# KiCad board 2000ATX.kicad_pcb (continued)
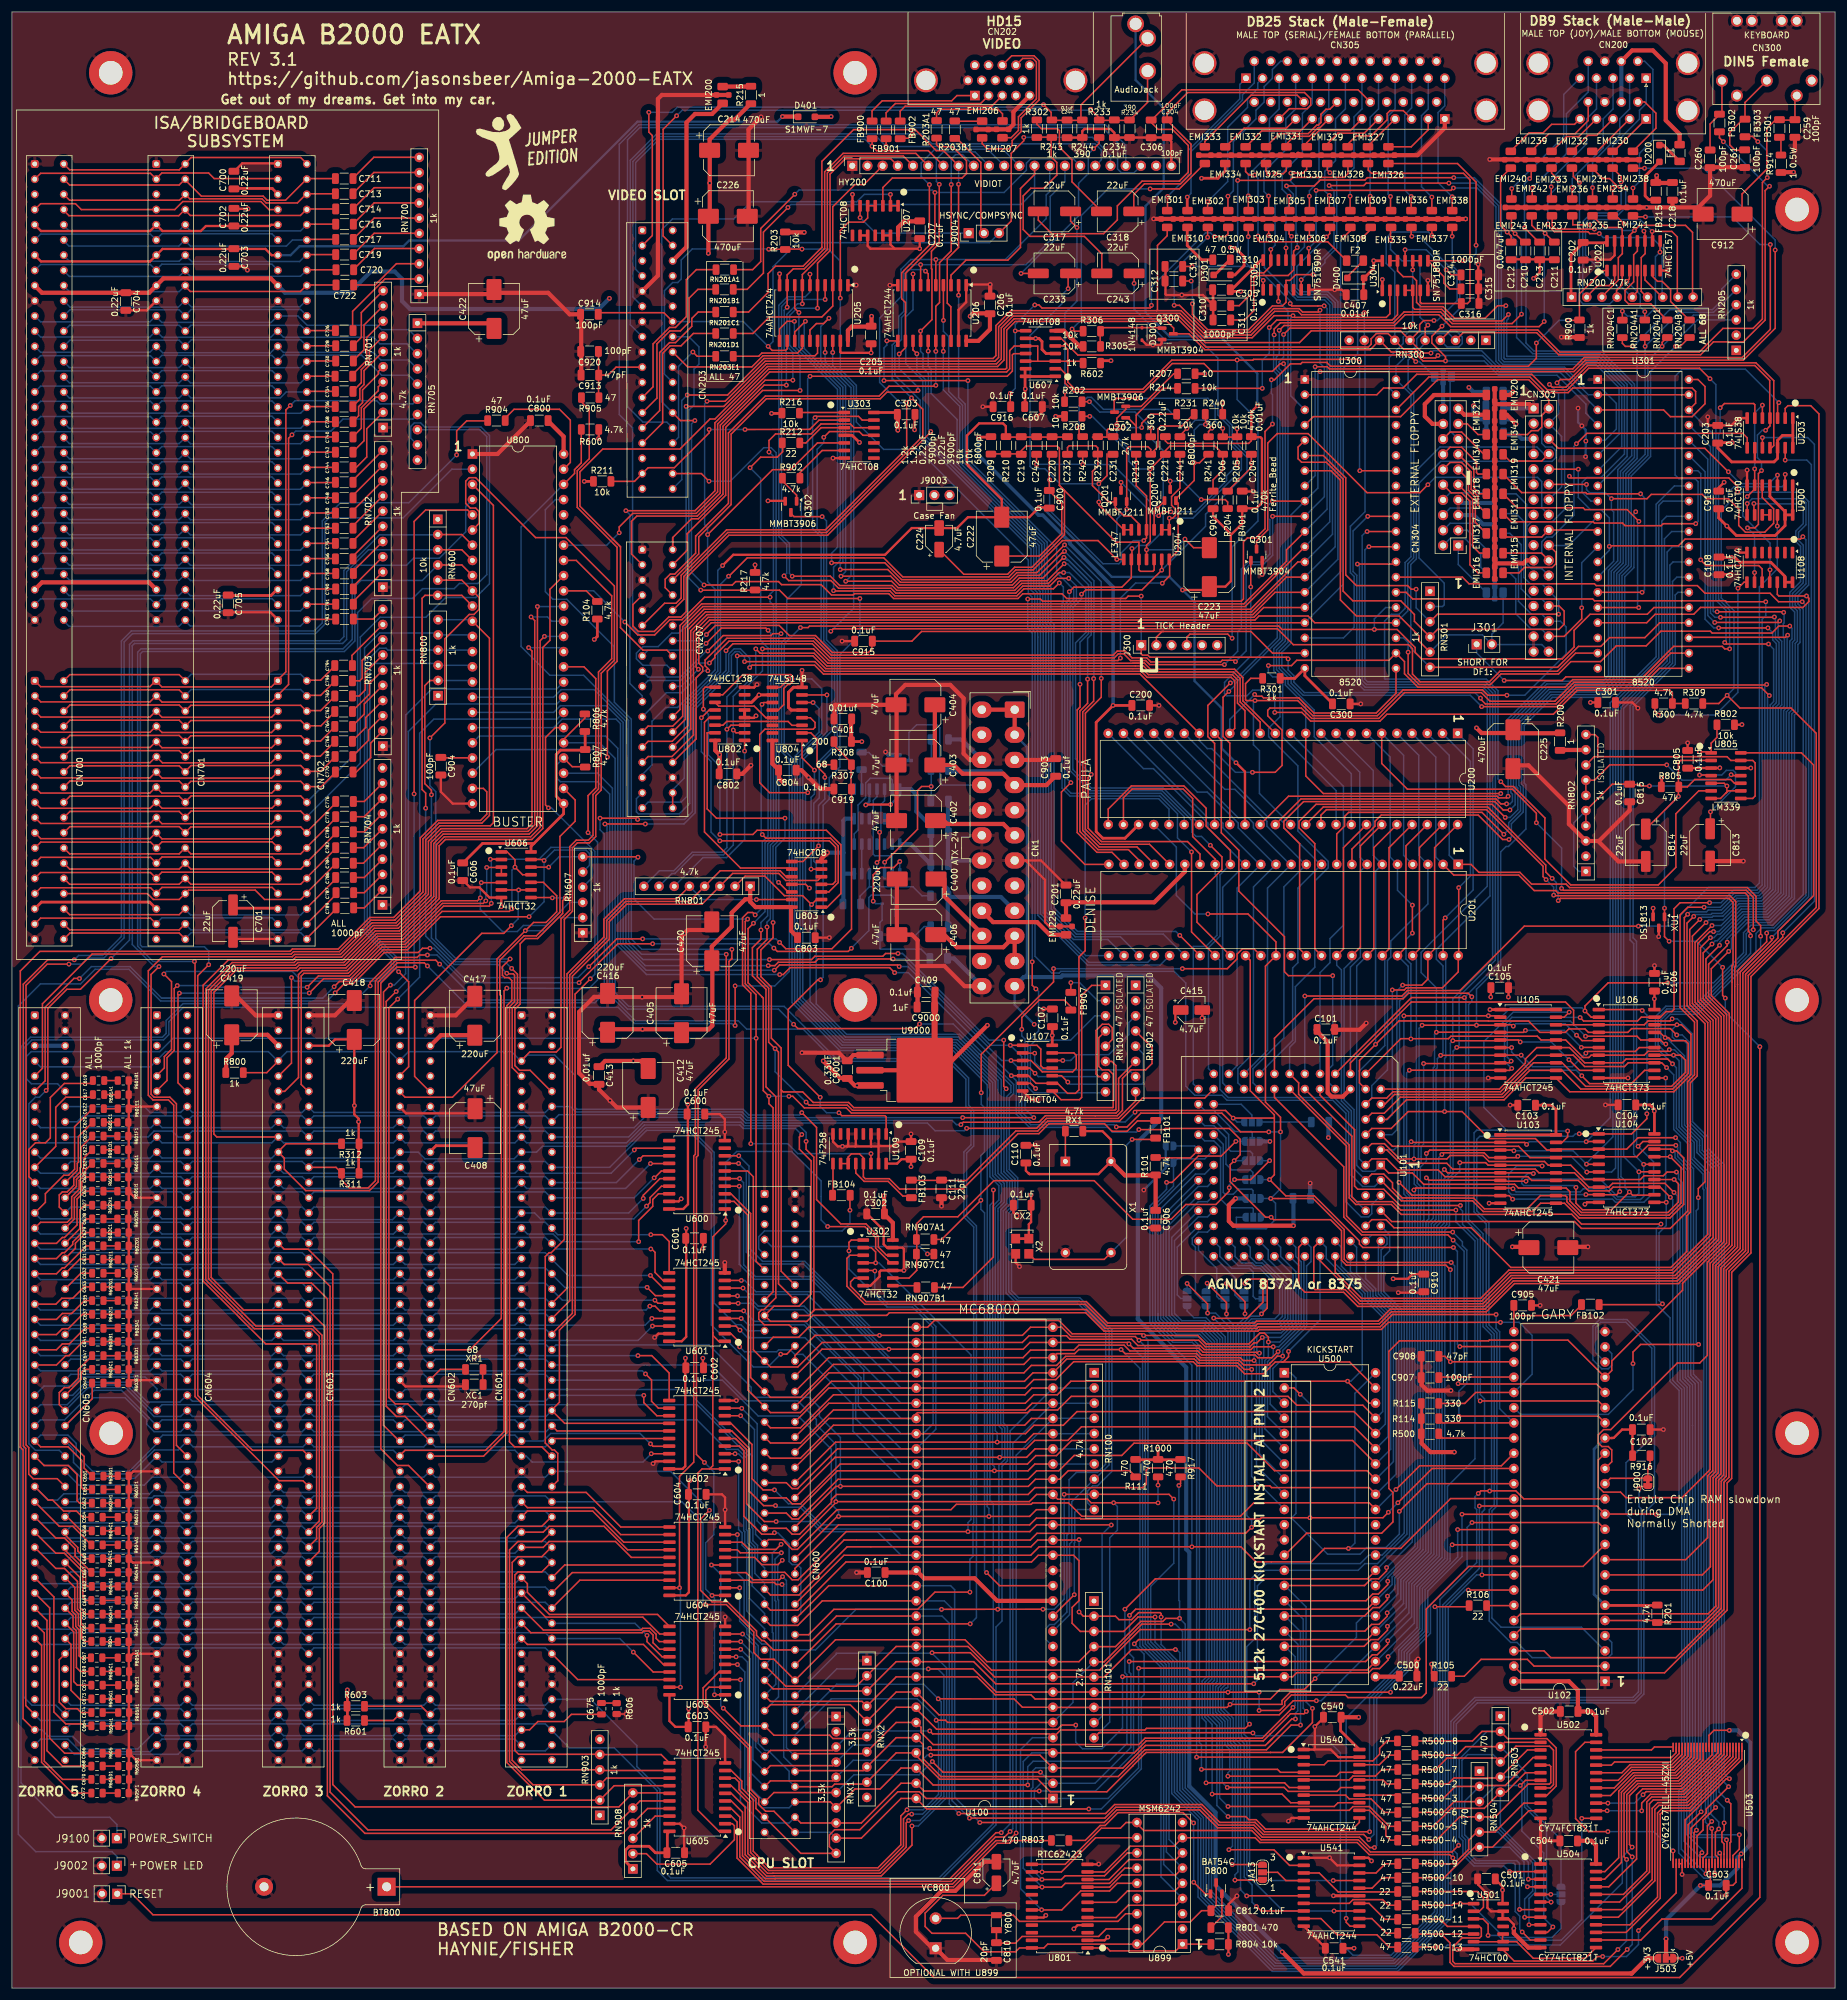
[diagram p0: board, top side]
## Routing (per net, layer and track width the routed paths; a pad name or vN(x,y) marks a point on that pad's centre or on a via; arc(x,y) is an arc through that point) (continued)
  Bottom w0.25: v1(106.88,89.28) 105.5,87.89 86.97,87.89 85.99,88.87 85.06,88.87 84.08,89.85 65.72,89.85 64.74,88.87 63.76,89.85 45.4,89.85 43.44,87.89 25.08,87.89 24.1,88.87 ; v1(96.32,193.07) 97.9,191.48 97.9,168.46 96.48,167.04 92.6,167.04 v1(82.73,167.08) ; CN605.59 5.37,87.31 9.52,87.31 11.68,85.15 20.51,85.15 CN604.59
BD0: length 144.5
  Top w0.25: CN601.75 86.17,67.57 86.17,66.12 89.87,62.43 107.93,62.43 U603.11 ; 13.29,43.81 12.13,43.81 11.81,44.13 9,44.13 7.01,46.12 7.01,65.35 CN605.75
  Bottom w0.25: 85.06,68.55 84.08,67.57 65.72,67.57 64.74,68.55 63.76,67.57 45.4,67.57 44.42,68.55 43.44,67.57 25.08,67.57 24.1,68.55 23.12,67.57 4.76,67.57 3.78,68.55
BD1: length 145.4
  Top w0.25: CN605.77 6.3,63.52 6.3,41.75 8.81,39.24 13.29,39.24 ; U603.12 108.29,59.16 105.47,61.98 89.23,61.98 CN601.77
  Bottom w0.25: 85.06,66.01 84.08,65.03 65.72,65.03 64.74,66.01 63.76,65.03 45.4,65.03 44.42,66.01 43.44,65.03 25.08,65.03 24.1,66.01 23.12,65.03 4.76,65.03 3.78,66.01
BD2: length 145.4
  Top w0.25: CN601.79 88.84,59.82 105.16,59.82 105.44,60.1 106.71,60.1 107.7,59.11 107.7,58.42 108.23,57.89 U603.13 ; 13.29,37.08 8.43,37.08 5.85,39.66 5.85,61.43 CN605.79
  Bottom w0.25: 85.06,63.47 84.08,62.49 65.72,62.49 64.74,63.47 63.76,62.49 45.4,62.49 44.42,63.47 43.44,62.49 25.08,62.49 24.1,63.47 23.12,62.49 4.76,62.49 3.78,63.47
BD3: length 144.9
  Top w0.25: U603.14 108.27,56.62 107.19,57.7 107.19,58.99 106.52,59.65 105.63,59.65 105.35,59.37 86.75,59.37 CN601.81 ; CN605.81 5.4,59.34 5.4,37.91 8.45,34.86 13.29,34.86
  Bottom w0.25: 3.78,60.93 4.76,59.95 23.12,59.95 24.1,60.93 25.08,59.95 43.44,59.95 44.42,60.93 45.4,59.95 63.76,59.95 64.74,60.93 65.72,59.95 84.08,59.95 85.06,60.93
BD4: length 142.7
  Top w0.25: CN605.83 4.95,57.25 4.95,37.72 10.1,32.58 13.29,32.58 ; U603.16 108.9,54.08 105.57,57.41 86.17,57.41 CN601.83
  Bottom w0.25: 85.06,58.39 84.08,57.41 65.72,57.41 64.74,58.39 63.76,57.41 45.4,57.41 44.42,58.39 43.44,57.41 25.08,57.41 24.1,58.39 23.12,57.41 4.76,57.41 3.78,58.39
BD5: length 120.6
  Top w0.25: CN601.86 94.59,51.54 U603.18 ; 13.29,46.04 11.56,46.04 10.92,46.67 9,46.67 7.91,47.76 7.91,54.87 CN605.86
  Bottom w0.25: 8.86,55.85 9.84,56.83 28.2,56.83 29.18,55.85 30.16,56.83 48.52,56.83 49.5,55.85 50.48,56.83 68.84,56.83 69.82,55.85 70.8,56.83 89.16,56.83 90.14,55.85
BD6: length 119.5
  Top w0.25: U603.17 107.21,52.81 v1(103.89,56.13) ; 13.16,48.2 11.42,48.2 9.87,49.75 9.87,57.41 CN605.84
  Bottom w0.25: 8.86,58.39 9.84,59.37 28.2,59.37 29.18,58.39 30.16,59.37 48.52,59.37 49.5,58.39 50.48,59.37 68.84,59.37 69.82,58.39 70.8,59.37 89.16,59.37 90.14,58.39 ; CN601.84 101.63,58.39 v1(103.89,56.13)
BD7: length 120.6
  Top w0.25: v1(106.17,58.93) 106.17,57.88 108.71,55.35 U603.15 ; 13.29,50.61 10.92,50.61 10.32,51.21 10.32,59.5 CN605.82
  Bottom w0.25: 8.86,60.93 9.84,61.91 28.2,61.91 29.18,60.93 30.16,61.91 48.52,61.91 49.5,60.93 50.48,61.91 68.84,61.91 69.82,60.93 70.8,61.91 89.16,61.91 90.14,60.93 ; CN601.82 104.17,60.93 v1(106.17,58.93)
BD8: length 119.6
  Top w0.25: U604.18 94.95,68.15 CN601.80 ; CN605.80 10.21,62.15 10.21,60.25 10.77,59.69 10.77,53.56 11.43,52.9 13.29,52.9
  Bottom w0.25: 8.86,63.47 9.84,64.45 28.2,64.45 29.18,63.47 30.16,64.45 48.52,64.45 49.5,63.47 50.48,64.45 68.84,64.45 69.82,63.47 70.8,64.45 89.16,64.45 90.14,63.47
BD9: length 119.2
  Top w0.25: CN605.78 10.05,64.85 10.05,62.95 10.66,62.34 10.66,60.44 11.22,59.88 11.22,55.52 11.56,55.18 13.22,55.18 ; U604.17 93.68,69.42 CN601.78
  Bottom w0.25: 8.86,66.01 9.84,66.99 28.2,66.99 29.18,66.01 30.16,66.99 48.52,66.99 49.5,66.01 50.48,66.99 68.84,66.99 69.82,66.01 70.8,66.99 89.16,66.99 90.14,66.01
BD10: length 118.2
  Top w0.25: U604.16 92.41,70.69 CN601.76 ; CN605.76 10.5,66.94 10.5,63.13 11.11,62.53 11.11,60.62 11.67,60.06 11.67,58.41 12.16,57.91 13.29,57.91
  Bottom w0.25: 8.86,68.55 9.84,69.53 28.2,69.53 29.18,68.55 30.16,69.53 48.52,69.53 49.5,68.55 50.48,69.53 68.84,69.53 69.82,68.55 70.8,69.53 89.16,69.53 90.14,68.55
BD11: length 129.7
  Top w0.25: CN605.71 7.33,70.11 8.78,70.11 10.95,67.94 10.95,63.32 11.56,62.71 11.56,60.81 12.24,60.13 13.29,60.13 ; U604.15 103.56,71.96 100.9,74.61 89.8,74.61 88.82,73.63 CN601.71
  Bottom w0.25: 85.06,73.63 84.08,72.65 65.72,72.65 64.74,73.63 63.76,72.65 45.4,72.65 44.42,73.63 43.44,72.65 25.08,72.65 24.1,73.63 23.12,72.65 4.76,72.65 3.78,73.63
BD12: length 128
  Top w0.25: CN605.69 7.33,72.65 8.75,72.65 11.85,69.55 11.85,65.28 12.36,64.77 13.29,64.77 ; U604.14 102.92,73.23 99,77.15 89.8,77.15 88.82,76.17 CN601.69
  Bottom w0.25: 85.06,76.17 84.08,75.19 65.72,75.19 64.74,76.17 63.76,75.19 45.4,75.19 44.42,76.17 43.44,75.19 25.08,75.19 24.1,76.17 23.12,75.19 4.76,75.19 3.78,76.17
BD13: length 125.8
  Top w0.25: CN605.67 7.33,75.19 8.78,75.19 10.55,73.42 10.55,72.2 13.29,69.47 ; CN601.67 86.17,79.69 97.09,79.69 102.29,74.5 U604.13
  Bottom w0.25: 85.06,78.71 84.08,77.73 65.72,77.73 64.74,78.71 63.76,77.73 45.4,77.73 44.42,78.71 43.44,77.73 25.08,77.73 24.1,78.71 23.12,77.73 4.76,77.73 3.78,78.71
BD14: length 124
  Top w0.25: U604.12 101.78,75.77 97.27,80.27 86.17,80.27 CN601.65 ; CN605.65 7.91,77.15 10.17,77.15 13.29,74.04
  Bottom w0.25: 85.06,81.25 84.08,80.27 65.72,80.27 64.74,81.25 63.76,80.27 45.4,80.27 44.42,81.25 43.44,80.27 25.08,80.27 24.1,81.25 23.12,80.27 4.76,80.27 3.78,81.25
BD15: length 124.8
  Top w0.25: CN605.63 6.07,81.53 6.79,81.53 8.63,79.69 10.79,79.69 11.81,78.68 13.29,78.68 ; CN601.63 86.17,82.81 96,82.81 101.78,77.04 U604.11
  Bottom w0.25: 85.06,83.79 84.08,82.81 65.72,82.81 64.74,83.79 63.76,82.81 45.4,82.81 44.42,83.79 43.44,82.81 25.08,82.81 24.1,83.79 ; CN604.63 23.02,82.59 8.67,82.59 7.62,81.53 6.07,81.53 CN605.63
BFC0: length 255.6
  Top w0.25: 109.85,32.61 RN908.6 101.47,30.27 57.37,30.27 53.63,34 53.63,119.34 49.52,123.45 45.53,123.45 CN603.31 ; CN605.31 7.44,124.43 8.42,125.41 8.78,125.41 10.88,127.51 10.88,131.85 12.19,133.16 13.41,133.16
  Bottom w0.25: 3.78,124.43 4.76,123.45 23.12,123.45 24.1,124.43 25.08,123.45 43.44,123.45 44.42,124.43 45.4,123.45 63.76,123.45 64.74,124.43 65.72,123.45 84.08,123.45 85.06,124.43
BFC1: length 254.4
  Top w0.25: U605.16 105,31.27 RN908.5 100.15,26.42 59.51,26.42 53.18,32.74 53.18,117.25 49.52,120.91 45.53,120.91 CN603.33 ; 13.41,128.52 12.51,128.52 11.78,127.79 11.78,126.27 10.15,124.65 10.15,124.25 8.78,122.87 8.42,122.87 7.44,121.89 CN605.33
  Bottom w0.25: 3.78,121.89 4.76,120.91 23.12,120.91 24.1,121.89 25.08,120.91 43.44,120.91 44.42,121.89 45.4,120.91 63.76,120.91 64.74,121.89 65.72,120.91 84.08,120.91 85.06,121.89
BFC2: length 250.5
  Top w0.25: U605.17 106.27,30 RN908.4 102.12,25.84 59.01,25.84 52.73,32.12 52.73,115.16 50.1,117.79 46.11,117.79 CN603.35 ; CN605.35 7.44,119.35 8.42,120.33 8.78,120.33 12.46,124.02 13.41,124.02
  Bottom w0.25: 85.06,119.35 84.08,118.37 65.72,118.37 64.74,119.35 63.76,118.37 45.4,118.37 44.42,119.35 43.44,118.37 25.08,118.37 24.1,119.35 23.12,118.37 4.76,118.37 3.78,119.35
C1: length 375.2
  Top w0.25: v1(212.09,143.07) 212.09,145.51 209.57,148.03 209.57,170.76 U201.36 211.33,174.8 206.65,179.48 v1(199.95,179.48) ; v1(148.34,170.69) 148.07,170.96 128.34,170.96 v1(127.46,170.08) ; v1(167.03,154.99) U107.3 170.36,154.99 172.26,153.1 177.33,153.1 177.94,153.71 177.94,155.85 177.53,156.26 U107.13 ; v1(210.45,131.94) 211.68,131.92 217.55,131.92 222.74,126.74 222.74,121.78 223.28,121.24 v1(240.62,121.24) ; 238.57,102.09 v1(241.21,102.09) 251.07,102.09 ; v1(184.64,143.89) 186.43,143.89 188.73,146.19 202.28,146.19 205.4,143.07 v1(210.12,143.07)
  Bottom w0.25: U800.19 90.56,210.62 91.98,212.03 101,212.03 101.73,211.29 101.73,174.35 106.01,170.08 v1(127.46,170.08) ; JA6.1 204.71,128.79 204.71,127.02 204.85,126.87 209.68,126.87 211.25,128.45 211.25,131.14 v1(210.45,131.94) ; v1(184.64,143.89) 184.26,144.27 170.31,144.27 168.36,146.21 168.36,153.66 v1(167.03,154.99) 165.48,154.99 149.78,170.69 v1(148.34,170.69) ; v1(210.45,131.94) 212.09,133.57 v1(212.09,143.07) v1(210.12,143.07) ; v1(210.45,131.94) JA5.3 ; v1(199.95,179.48) 197.78,179.48 194.67,182.58 194.67,190.64 U200.28 ; v1(240.62,121.24) 241.21,120.65 v1(241.21,102.09)
C3: length 344.7
  Top w0.25: v1(188.4,143.45) 192.66,143.45 192.84,143.63 203.54,143.63 205.35,141.83 205.35,139.25 v1(204.35,138.25) 203.68,137.58 203.68,134.74 209.63,128.79 v1(210.53,128.79) 210.93,128.39 220.45,128.39 222.29,126.55 222.29,121.59 223.09,120.79 239.74,120.79 v1(240.49,120.04) ; v1(167.08,152.45) U107.5 169.95,152.45 171.22,151.18 U107.9 174.8,151.18 176.48,149.5 177.8,149.5 178.39,150.09 178.39,172.29 179.43,173.33 v1(179.43,178.82) ; v1(147.57,169.67) 146.74,170.51 130.1,170.51 128.95,169.35 v1(128.36,169.35) ; 251.05,104.65 v1(240.49,104.65) 239.57,105.56 238.48,105.56
  Bottom w0.25: U800.20 78.11,209.2 99.23,209.2 101.28,207.15 101.28,174.17 106.1,169.35 v1(128.36,169.35) ; v1(179.43,178.82) 179.43,197.66 180.49,198.73 191.72,198.73 193.45,197 U200.29 ; JA3.1 v1(204.35,138.25) ; v1(188.4,143.45) 188,143.04 183.95,143.04 183.17,143.82 170.12,143.82 167.91,146.02 167.91,151.62 v1(167.08,152.45) 149.86,169.67 v1(147.57,169.67) ; v1(240.49,120.04) v1(240.49,104.65) ; JA6.3 v1(210.53,128.79)
D0: length 525.5
  Top w0.25: v1(122.15,59.16) U603.9 ; U899.14 184.79,17.5 183.51,16.22 178.68,16.22 175.52,13.05 172.17,13.05 v1(172.15,13.07) 172.14,13.05 170.28,13.05 ; v1(153.44,42.96) 153.93,42.47 173.41,42.47 U100.5 175.32,43.11 189.41,43.11 189.68,43.39 206.2,43.39 v1(206.91,44.09) ; CN600.75 126.81,39.7 137.21,39.7 RNX1.3 ; v1(232.72,162.46) v1(246.84,162.46) 248.61,162.46 U105.2 ; v1(288.49,249.99) 288.49,250.88 287.04,252.34 260.67,252.34 v1(260.39,252.62) ; U106.2 264.03,162.23 v1(262.99,163.27) 262.99,164.1 266.86,167.97 v1(276.81,167.97)
  In1.Cu w0.25: U300.33 234.11,251 235.49,252.38 253.65,252.38 253.89,252.62 260.38,252.62 v1(260.39,252.62)
  Bottom w0.25: v1(153.44,42.96) 143.97,42.96 143.8,43.14 140.65,43.14 RNX1.3 ; CN600.75 124.33,40.23 124.33,57 122.17,59.16 ; U500.14 225.06,69.8 226.19,70.92 228.29,70.92 233.22,75.85 233.22,132.18 232.72,132.68 v1(232.72,162.46) ; v1(246.84,162.46) 249.2,162.46 250.54,163.79 262.47,163.79 v1(262.99,163.27) ; v1(276.81,167.97) 284.48,167.97 289.5,172.99 289.5,176.35 290.75,177.6 294.35,177.6 299.49,182.73 299.49,230.4 298.59,231.3 298.59,232.65 300.39,234.45 300.39,248.4 300.36,248.4 298.82,249.95 288.46,249.95 ; v1(172.15,13.07) 168.62,16.6 168.62,39.84 170.61,41.83 U100.5 ; v1(206.91,44.09) 206.44,44.56 206.44,57.04 207.77,58.37 207.77,68.34 209.23,69.8 212.8,69.8
D1: length 479.4
  Top w0.25: 261.61,159.22 262.51,158.32 265.2,158.32 ; 261.61,159.22 v1(261.59,159.22) 261.59,159.24 261.61,159.22 ; v1(153.43,40.06) 153.7,39.79 154.23,39.79 173.55,39.78 U100.4 187.63,39.29 189.63,41.3 209.22,41.3 210.34,42.42 210.36,42.42 213.38,45.44 213.38,45.46 213.75,45.83 216.01,45.83 v1(216.41,46.23) ; v1(230.02,67.97) 230.02,67.4 228.46,65.84 227.5,65.84 226.38,64.72 212.8,64.72 ; CN600.77 126.81,37.16 137.21,37.16 RNX1.4 ; U105.3 250.77,160.96 v1(251,160.73) ; 170.28,16.86 172.22,16.86 v1(172.22,16.87) 172.23,16.86 175.47,16.86 176.1,17.49 183.51,17.49 186.06,20.04 U899.13 ; v1(235.76,160.88) 248.77,160.88 ; v1(121.84,57.89) U603.8
  In1.Cu w0.25: v1(271.48,246.68) 268.57,249.59 260.57,249.59 260.14,250.03 235.49,250.03 233.92,248.46 U300.32
  Bottom w0.25: v1(244.86,160.88) 244.86,166.9 248.91,170.95 248.91,189.85 249.81,190.75 250.2,190.75 253.11,193.67 253.11,201.07 252.84,201.34 252.84,210.96 253.54,211.66 257.54,215.67 267.13,215.67 269.64,218.17 269.64,235.82 271.18,237.36 271.18,246.39 v1(271.48,246.68) ; U100.4 170.52,39.29 169.07,37.85 169.07,20.02 v1(172.22,16.87) ; v1(153.43,40.06) 152.47,40.06 152.11,40.42 144.43,40.42 144.25,40.6 140.65,40.6 RNX1.4 ; v1(235.76,160.88) 235.25,160.38 235.25,141.04 235.15,140.93 235.15,138.71 235.15,138.7 235.15,138.13 234.44,137.41 234.44,134.37 235.15,133.65 235.15,130.28 235.02,130.14 235.02,73.6 230.02,68.6 v1(230.02,67.97) ; v1(261.59,159.22) 259.67,161.13 251.4,161.13 v1(251,160.73) ; 212.8,64.72 215.88,61.64 215.88,46.76 v1(216.41,46.23) ; CN600.77 123.88,38.14 123.88,55.85 v1(121.84,57.89)
D2: length 447.7
  Top w0.25: 210.36,41.35 210.62,41.61 209.95,40.93 ; 210.36,41.35 209.55,40.54 189.51,40.54 185.72,36.75 U100.3 171.88,38.91 v1(153.61,38.91) ; 210.36,41.35 213.97,44.96 v1(214.58,44.96) ; v1(238.15,159.72) 248.82,159.72 ; v1(262.38,157.18) 265.28,157.18 ; 212.8,59.64 226.19,59.64 227.31,60.76 228.56,60.76 229.92,62.12 v1(229.92,62.69) ; U105.4 252.7,159.69 v1(253.03,160.02) ; U899.12 186.49,22.58 182.67,18.76 176.08,18.76 175.45,18.13 172.22,18.13 v1(172.21,18.14) 172.21,18.13 170.28,18.13 ; CN600.79 126.81,34.62 137.21,34.62 RNX1.5 ; v1(121.83,56.6) U603.7 ; v1(226.67,245.92) U300.31
  Bottom w0.25: CN600.79 123.42,36.05 123.42,55.02 v1(121.83,56.6) ; 174,36.79 171.16,36.79 170.69,36.32 170.69,33.53 170.42,33.26 170.42,19.93 v1(172.21,18.14) ; v1(214.58,44.96) 214.58,45.92 214.98,46.32 214.98,57.46 212.8,59.64 ; v1(229.92,62.69) 232.21,64.97 232.21,67.97 232.21,67.97 232.21,68.24 236.82,72.85 236.82,127.83 237.63,128.65 237.63,153.75 237.84,153.96 237.84,159.4 v1(238.15,159.72) 238.15,167.13 235.6,169.68 235.6,173.06 246.66,184.11 246.66,216.02 245.76,216.92 226.06,216.92 224.84,218.14 224.84,236.07 224.22,236.69 224.22,243.47 v1(226.67,245.92) ; v1(262.38,157.18) 259.54,160.02 v1(253.03,160.02) ; v1(153.61,38.91) 153.01,38.91 152.15,38.06 140.65,38.06 RNX1.5
D3: length 438.8
  Top w0.25: U603.6 v1(121.06,55.35) ; v1(186.79,54.56) 226.32,54.56 227.44,55.68 228.26,55.68 230.02,57.45 v1(230.02,58.01) ; v1(252.17,158.09) 251.84,158.42 U105.5 ; 170.28,19.4 172.21,19.4 v1(172.22,19.39) 172.24,19.4 175.46,19.4 181.17,25.12 U899.11 ; v1(240.89,158.29) 248.71,158.29 ; v1(226.57,243.38) U300.30 ; v1(260.31,155.12) 262.09,153.34 U106.9 ; v1(153.87,37.85) 155.65,36.07 v1(171.96,36.07) ; CN600.81 127.39,32.66 137.79,32.66
  Bottom w0.25: v1(186.79,54.56) 186.79,52.78 187.07,52.51 187.07,40.2 181.08,34.21 U100.2 172.01,34.21 170.94,33.15 170.94,31.75 172.22,30.47 v1(172.22,19.39) ; v1(121.06,55.35) 122.07,55.35 122.97,54.45 122.97,33.96 CN600.81 ; v1(153.87,37.85) 151.66,35.63 140.76,35.63 RNX1.6 ; v1(230.02,58.01) 234.01,62 234.01,67.5 238.64,72.13 238.64,127.01 239.43,127.8 239.43,135.19 240.49,136.24 240.49,157.89 v1(240.89,158.29) 240.89,165.29 247.56,171.95 247.56,216.4 246.14,217.82 226.46,217.82 225.74,218.53 225.74,242.71 226.42,243.38 v1(226.57,243.38) ; v1(252.17,158.09) 257.35,158.09 260.31,155.13 v1(260.31,155.12) ; v1(171.96,36.07) 173.81,34.21
D4: length 419.8
  Top w0.25: U603.4 118.2,52.81 115.55,50.15 115.55,47.59 123.07,40.07 123.07,32.96 124.38,31.64 124.38,30.01 CN600.83 131.89,22.5 RNX1.10 136.67,23.63 136.67,25.58 137.54,26.46 141.76,26.46 148.1,32.8 151.72,32.8 152.85,31.67 U100.1 ; v1(241.55,157.18) 248.82,157.18 ; U106.12 272.96,153.34 270.74,151.12 263.76,151.12 262.46,152.42 v1(262.46,152.44) ; v1(188.37,53.44) 196.63,53.44 196.93,53.14 226.56,53.14 U500.23 ; U105.6 v1(250.72,157.15) ; v1(226.87,240.84) U300.29
  Bottom w0.25: U100.1 183.25,31.67 188.37,36.79 v1(188.37,53.44) ; v1(226.87,240.84) 226.72,240.84 226.19,240.31 226.19,218.72 226.64,218.27 246.32,218.27 248.01,216.58 248.01,171.76 241.95,165.71 241.95,157.58 v1(241.55,157.18) 240.94,156.56 240.94,136.05 239.88,135 239.88,127.62 239.09,126.83 239.09,71.95 234.46,67.31 234.46,60.98 228.04,54.56 ; v1(262.46,152.44) 261.54,153.37 253.77,153.37 250.72,156.41 v1(250.72,157.15)
D5: length 413.6
  Top w0.25: U500.25 226.56,58.22 188.36,58.22 v1(187.64,57.51) ; v1(238.86,155.85) 248.82,155.85 ; v1(224.94,237.95) 231.04,237.95 ; U106.15 272.06,157.15 271.42,156.5 263.42,156.5 v1(263.14,156.22) ; v1(180.04,29.92) 152.93,29.92 U100.64 148.64,31.67 142.01,25.04 RNX1.9 ; U105.7 v1(252.32,155.88) ; CN600.86 127.39,29.54 126,29.54 124.85,30.69 124.85,31.81 123.52,33.14 123.52,40.26 116,47.78 116,49.73 116.54,50.27 U603.2
  Bottom w0.25: v1(263.14,156.22) 260.88,153.96 254.24,153.96 v1(252.32,155.88) ; v1(180.04,29.92) 182.13,29.92 188.82,36.61 188.82,48.56 189.28,49.02 189.28,55.8 187.64,57.44 v1(187.64,57.51) 187.58,57.51 187.66,57.42 ; CN600.86 136.82,26.02 RNX1.9 ; 228.04,59.64 232.66,64.26 232.66,68.06 237.27,72.67 237.29,127.05 237.29,127.06 237.29,127.67 238.08,128.46 238.08,153.57 238.3,153.79 238.3,155.3 v1(238.86,155.85) 239.26,156.25 239.26,170.8 238.14,171.91 238.14,173.53 247.11,182.49 247.11,216.21 245.95,217.37 226.27,217.37 225.29,218.35 225.29,237.6 v1(224.94,237.95)
D6: length 463.5
  Top w0.25: U603.3 121.77,51.54 v1(121.79,51.51) ; CN600.84 131.89,27.58 RNX1.8 142.01,27.58 148.64,34.21 U100.63 152.48,32.92 v1(171.75,32.92) ; v1(250.65,154.89) 250.37,154.61 U105.8 ; v1(186.84,62.28) 187.87,63.3 226.56,63.3 U500.27 ; v1(299.31,231.65) 295.35,231.65 293.93,233.07 283.06,233.07 281.78,234.35 264.88,234.35 264.57,234.65 243.61,234.65 242.49,235.76 U300.27 ; v1(236.02,154.48) 248.71,154.48 ; v1(263.09,159.04) 263.09,159.04 271.69,159.04 272.31,158.42 U106.16 275.63,158.42 276.31,157.73 v1(276.5,157.73)
  Bottom w0.25: v1(171.75,32.92) 181.15,32.92 187.52,39.28 187.52,55.2 186.84,55.87 v1(186.84,62.28) ; v1(236.02,154.48) 236.02,141.02 235.6,140.6 235.6,138.89 235.6,138.89 235.6,137.94 234.95,137.29 234.95,134.49 235.6,133.84 235.6,130.09 235.47,129.95 235.47,73.41 230.75,68.69 230.75,67.43 228.04,64.72 ; CN600.84 129.93,27.58 125.36,27.58 121.79,31.15 v1(121.79,51.51) ; v1(299.31,231.65) 299.94,231.02 299.94,182.55 294.54,177.15 292.52,177.15 291.58,176.21 291.58,173.15 281.59,163.16 277.07,163.16 275.68,161.77 275.68,157.99 275.94,157.73 v1(276.5,157.73) ; v1(263.09,159.04) 260.55,161.58 250.78,161.58 250,160.8 250,155.54 v1(250.65,154.89)
D7: length 449.8
  Top w0.25: U603.5 121.26,54.08 v1(121.29,54.05) ; 228.04,69.8 226.63,68.38 191.17,68.38 v1(186.08,63.3) ; v1(283.82,181.36) 278.89,181.36 277.88,180.34 277.88,163.53 277.52,163.17 276.57,163.17 275.63,162.23 U106.19 272.41,162.23 271.77,161.59 262.76,161.59 v1(262.19,162.17) ; v1(169.82,33.93) 154,33.93 U100.62 148.64,36.75 145.15,33.27 140.94,33.27 RNX1.7 136.82,31.1 CN600.82 ; v1(293.22,231.65) 286.65,231.65 286.49,231.81 264.59,231.81 264.28,232.11 234.19,232.11 233.08,233.22 U300.26 ; U105.9 250.42,153.34 v1(250.75,153.67) ; v1(233.63,153.37) 248.82,153.37
  Bottom w0.25: v1(186.08,63.3) 186.07,63.28 186.07,52.7 186.4,52.37 186.4,40.86 183.44,37.9 170.74,37.9 169.82,36.98 v1(169.82,33.93) ; v1(293.22,231.65) 293.22,229.33 292.61,228.72 292.61,184.29 291.76,183.45 287.83,183.45 285.74,181.36 v1(283.82,181.36) ; v1(233.63,153.37) 233.17,152.9 233.17,132.87 233.67,132.37 233.67,75.42 228.04,69.8 ; v1(121.29,54.05) 122.52,52.82 122.52,32.96 125.36,30.12 129.93,30.12 CN600.82 ; v1(262.19,162.17) 262.16,162.19 250.78,162.19 250.77,162.2 249.55,160.99 249.55,154.87 v1(250.75,153.67)
D8: length 402.1
  Top w0.25: v1(229.82,70.26) 229.82,69.69 228.51,68.38 227.26,68.38 226.14,67.26 212.8,67.26 ; U100.61 147.83,39.29 RNX2.9 ; 151.18,38.83 155.12,34.89 171.51,34.89 173.6,32.8 183.07,32.8 187.4,37.13 187.4,37.16 189.33,39.09 189.35,39.09 189.63,39.36 210.43,39.36 210.44,39.37 212.44,39.37 217.42,44.35 v1(217.42,46.74) ; v1(233.93,141.43) 234.06,141.3 U103.2 252.91,141.3 v1(253.24,140.97) ; 142.61,34.08 137.54,34.08 137.11,33.64 CN600.80 ; U104.2 263.22,141.45 v1(263.19,141.43) ; U604.2 v1(121.67,66.88)
  Bottom w0.25: U301.33 277.95,251 274.89,247.94 274.89,222.44 267.2,214.76 267.2,145.44 v1(263.19,141.43) 253.7,141.43 v1(253.24,140.97) ; v1(121.67,66.88) 121.67,61.32 122.87,60.11 122.87,59.09 124.78,57.19 124.78,40.87 125.94,39.7 126.44,39.7 129.93,36.21 129.93,34.62 CN600.80 ; 212.8,67.26 216.36,63.7 216.36,47.8 v1(217.42,46.74) ; v1(233.93,141.43) 233.62,141.11 233.62,133.05 234.12,132.55 234.12,74.55 v1(229.82,70.26)
D9: length 402.1
  Top w0.25: v1(229.97,65.48) 229.97,64.92 228.63,63.58 227.53,63.58 226.14,62.18 212.8,62.18 ; U103.3 250.98,140.03 v1(251.1,139.9) ; U604.3 123.24,68.15 123.61,67.77 127.45,67.77 127.78,67.44 v1(128.75,67.44) ; v1(236.47,139.45) 237.05,140.02 248.83,140.02 ; v1(263.25,137.67) 263.27,137.64 U104.5 ; v1(215.43,43.94) 213.87,43.94 209.74,39.81 189.42,39.81 184.94,35.34 155.31,35.34 152.31,38.34 152.31,40.71 U100.60 147.83,41.83 RNX2.8 142.32,36.33 131.06,36.33
  Bottom w0.25: v1(128.75,67.44) 129.03,67.16 129.03,38.61 130.91,36.73 CN600.78 ; 212.8,62.18 215.43,59.55 v1(215.43,43.94) ; U301.32 276.04,248.46 275.34,247.76 275.34,222.26 267.65,214.58 267.65,142.23 263.25,137.82 v1(263.25,137.67) 261.01,139.9 v1(251.1,139.9) ; v1(236.47,139.45) 236.47,138.17 235.46,137.16 235.46,134.87 236.05,134.28 236.05,128.34 235.92,128.2 235.92,127.51 235.92,73.23 231.2,68.51 231.2,66.71 v1(229.97,65.48)
D10: length 392.8
  Top w0.25: v1(239.06,139.29) 239.34,139.57 246.13,139.57 246.93,138.76 U103.4 251.54,138.76 v1(251.76,138.99) ; CN600.76 131.35,39.16 142.61,39.16 ; RNX2.7 147.83,44.37 U100.59 151.98,43.57 151.98,42.72 154.02,40.68 188.38,40.68 189.45,41.75 209.03,41.75 214.25,46.96 ; U604.4 122.73,69.42 123.93,68.22 128.31,68.22 v1(128.83,68.74) ; v1(229.97,60.45) 229.97,59.78 228.41,58.22 227.19,58.22 226.07,57.1 212.8,57.1 ; v1(263.3,136.35) 263.32,136.37 U104.6
  Bottom w0.25: v1(214.17,46.89) 214.53,47.24 214.53,55.37 212.8,57.1 ; v1(128.83,68.74) 129.48,68.09 129.48,67.48 129.48,67.48 129.48,40.15 CN600.76 ; v1(239.06,139.29) 238.53,138.76 238.53,128.27 237.74,127.48 237.74,72.51 233.11,67.87 233.11,63.59 v1(229.97,60.45) ; U301.31 276.64,245.92 275.83,245.12 275.83,222.12 268.1,214.39 268.1,137.01 267.44,136.35 v1(263.3,136.35) 260.65,138.99 v1(251.76,138.99)
D11: length 405.3
  Top w0.25: v1(177.85,43.94) 175.51,43.94 174.82,43.25 154.59,43.25 151.18,46.65 ; v1(255.83,137.36) 255.7,137.49 U103.5 ; v1(118.92,46.76) 121.88,43.8 CN600.71 127.39,42.24 136.71,42.24 137.25,41.7 142.61,41.7 ; v1(268.81,133.09) 268.28,132.56 U104.9 ; 248.83,137.5 246.8,137.5 246.38,137.92 v1(242.06,137.92) ; v1(185.67,52.02) 214.12,52.02 214.8,52.69 226.81,52.69 227.5,53.38 228.65,53.38 230.07,54.81 v1(230.07,55.37) ; U100.58 147.83,46.91 RNX2.6 ; v1(263.14,132.59) 265.28,132.59 ; U604.5 v1(116.94,70.69)
  Bottom w0.25: v1(263.14,132.59) 250.7,132.59 250.23,133.06 250.23,136.03 251.56,137.36 v1(255.83,137.36) ; v1(242.06,137.92) 242.06,136.54 240.33,134.81 240.33,127.41 239.57,126.64 239.54,71.76 234.91,67.13 234.91,60.21 v1(230.07,55.37) ; v1(268.81,133.09) 268.81,135.14 268.55,135.39 268.55,214.2 276.28,221.93 276.28,242.16 277.5,243.38 U301.30 ; v1(116.94,70.69) 118.5,69.13 118.5,47.18 v1(118.92,46.76) ; v1(185.67,52.02) 185.67,43.43 182.22,39.98 178.97,39.98 177.85,41.1 v1(177.85,43.94)
D12: length 393.2
  Top w0.25: v1(218.08,48.01) 214.22,48.01 211.87,45.66 154.98,45.66 U100.57 147.83,49.45 RNX2.5 140.13,47.35 126.84,47.35 CN600.69 ; v1(254.36,136.09) 254.23,136.22 U103.6 240.03,136.22 v1(239.47,136.78) ; 274.52,132.49 270.94,132.49 v1(270.41,133.02) 267.43,130.04 262.58,130.04 261.49,131.14 v1(261.49,133.79) ; v1(128.79,71.48) 128.07,70.76 125.36,70.76 124.16,71.96 U604.6
  Bottom w0.25: v1(128.79,71.48) 128.03,70.72 128.03,64.94 128.16,64.8 128.16,48.67 CN600.69 ; v1(261.49,133.79) 261.19,134.09 252.76,134.09 252.41,134.44 252.41,135.12 253.38,136.09 v1(254.36,136.09) ; v1(239.47,136.78) 238.98,136.28 238.98,128.09 238.19,127.3 238.19,72.32 233.56,67.68 233.56,62.69 U500.24 218.88,48.01 v1(218.08,48.01) ; v1(270.41,133.02) 269.68,133.74 269.68,134.9 269,135.58 269,214.02 276.73,221.74 276.73,239.96 277.61,240.84 U301.29
D13: length 378.8
  Top w0.25: v1(236.47,135.38) 236.87,134.98 248.81,134.98 ; CN600.67 126.81,47.9 142.12,47.9 RNX2.4 147.83,51.99 U100.56 161.39,51.99 164.38,49 170.35,49 171.05,48.3 210.41,48.3 211.98,49.88 216.05,49.88 v1(217.88,51.7) ; 274.58,136.4 272.02,136.4 v1(272.01,136.39) ; U604.7 121.27,73.23 121.78,72.73 v1(128.63,72.73) ; v1(253.14,134.82) 248.97,134.82
  Bottom w0.25: v1(253.14,134.82) 253.49,135.17 265.52,135.17 268.47,132.22 271.41,132.22 272.01,132.82 v1(272.01,136.39) 269.45,138.95 269.45,213.83 277.18,221.56 277.18,237.76 277.72,238.3 U301.28 ; 236.37,128.02 236.37,126.89 ; 236.37,128.02 236.87,128.52 236.87,134.98 v1(236.47,135.38) ; 236.37,128.02 236.37,126.89 ; v1(128.63,72.73) 127.58,71.67 127.58,64.75 127.71,64.62 127.71,50.76 CN600.67 ; U500.26 225.95,62.18 224.78,61.01 224.78,58.6 v1(217.88,51.7) ; 236.37,126.89 236.37,73.04 231.73,68.4 231.73,65.86 228.04,62.18
D14: length 378
  Top w0.25: v1(250.95,133.55) 250.82,133.68 U103.8 234.72,133.68 v1(234.39,133.35) ; U604.8 122,74.5 123.2,73.3 127.74,73.3 v1(128.59,74.15) ; CN600.65 127.26,49.99 136.56,49.99 136.92,49.63 RNX2.3 147.83,54.53 U100.55 160.79,54.53 164.48,50.84 v1(207.61,50.84) ; U104.16 v1(272.81,137.64)
  Bottom w0.25: v1(128.59,74.15) 127.13,72.69 127.13,59.45 127.26,59.32 127.26,52.85 CN600.65 ; v1(207.61,50.84) 208.22,51.45 208.22,67.2 209.41,68.38 226.92,68.38 228.04,67.26 234.57,73.78 234.57,133.17 v1(234.39,133.35) ; v1(250.95,133.55) 251.47,133.04 262.2,133.04 262.71,133.55 266.5,133.55 268.29,131.76 272.28,131.76 272.81,132.29 v1(272.81,137.64) 271.14,139.32 271.14,174.52 270.53,175.13 270.53,214.27 277.63,221.37 277.63,235.04 278.36,235.76 U301.27
